# Allegro board Flatburn-main PCB.brd (continued)
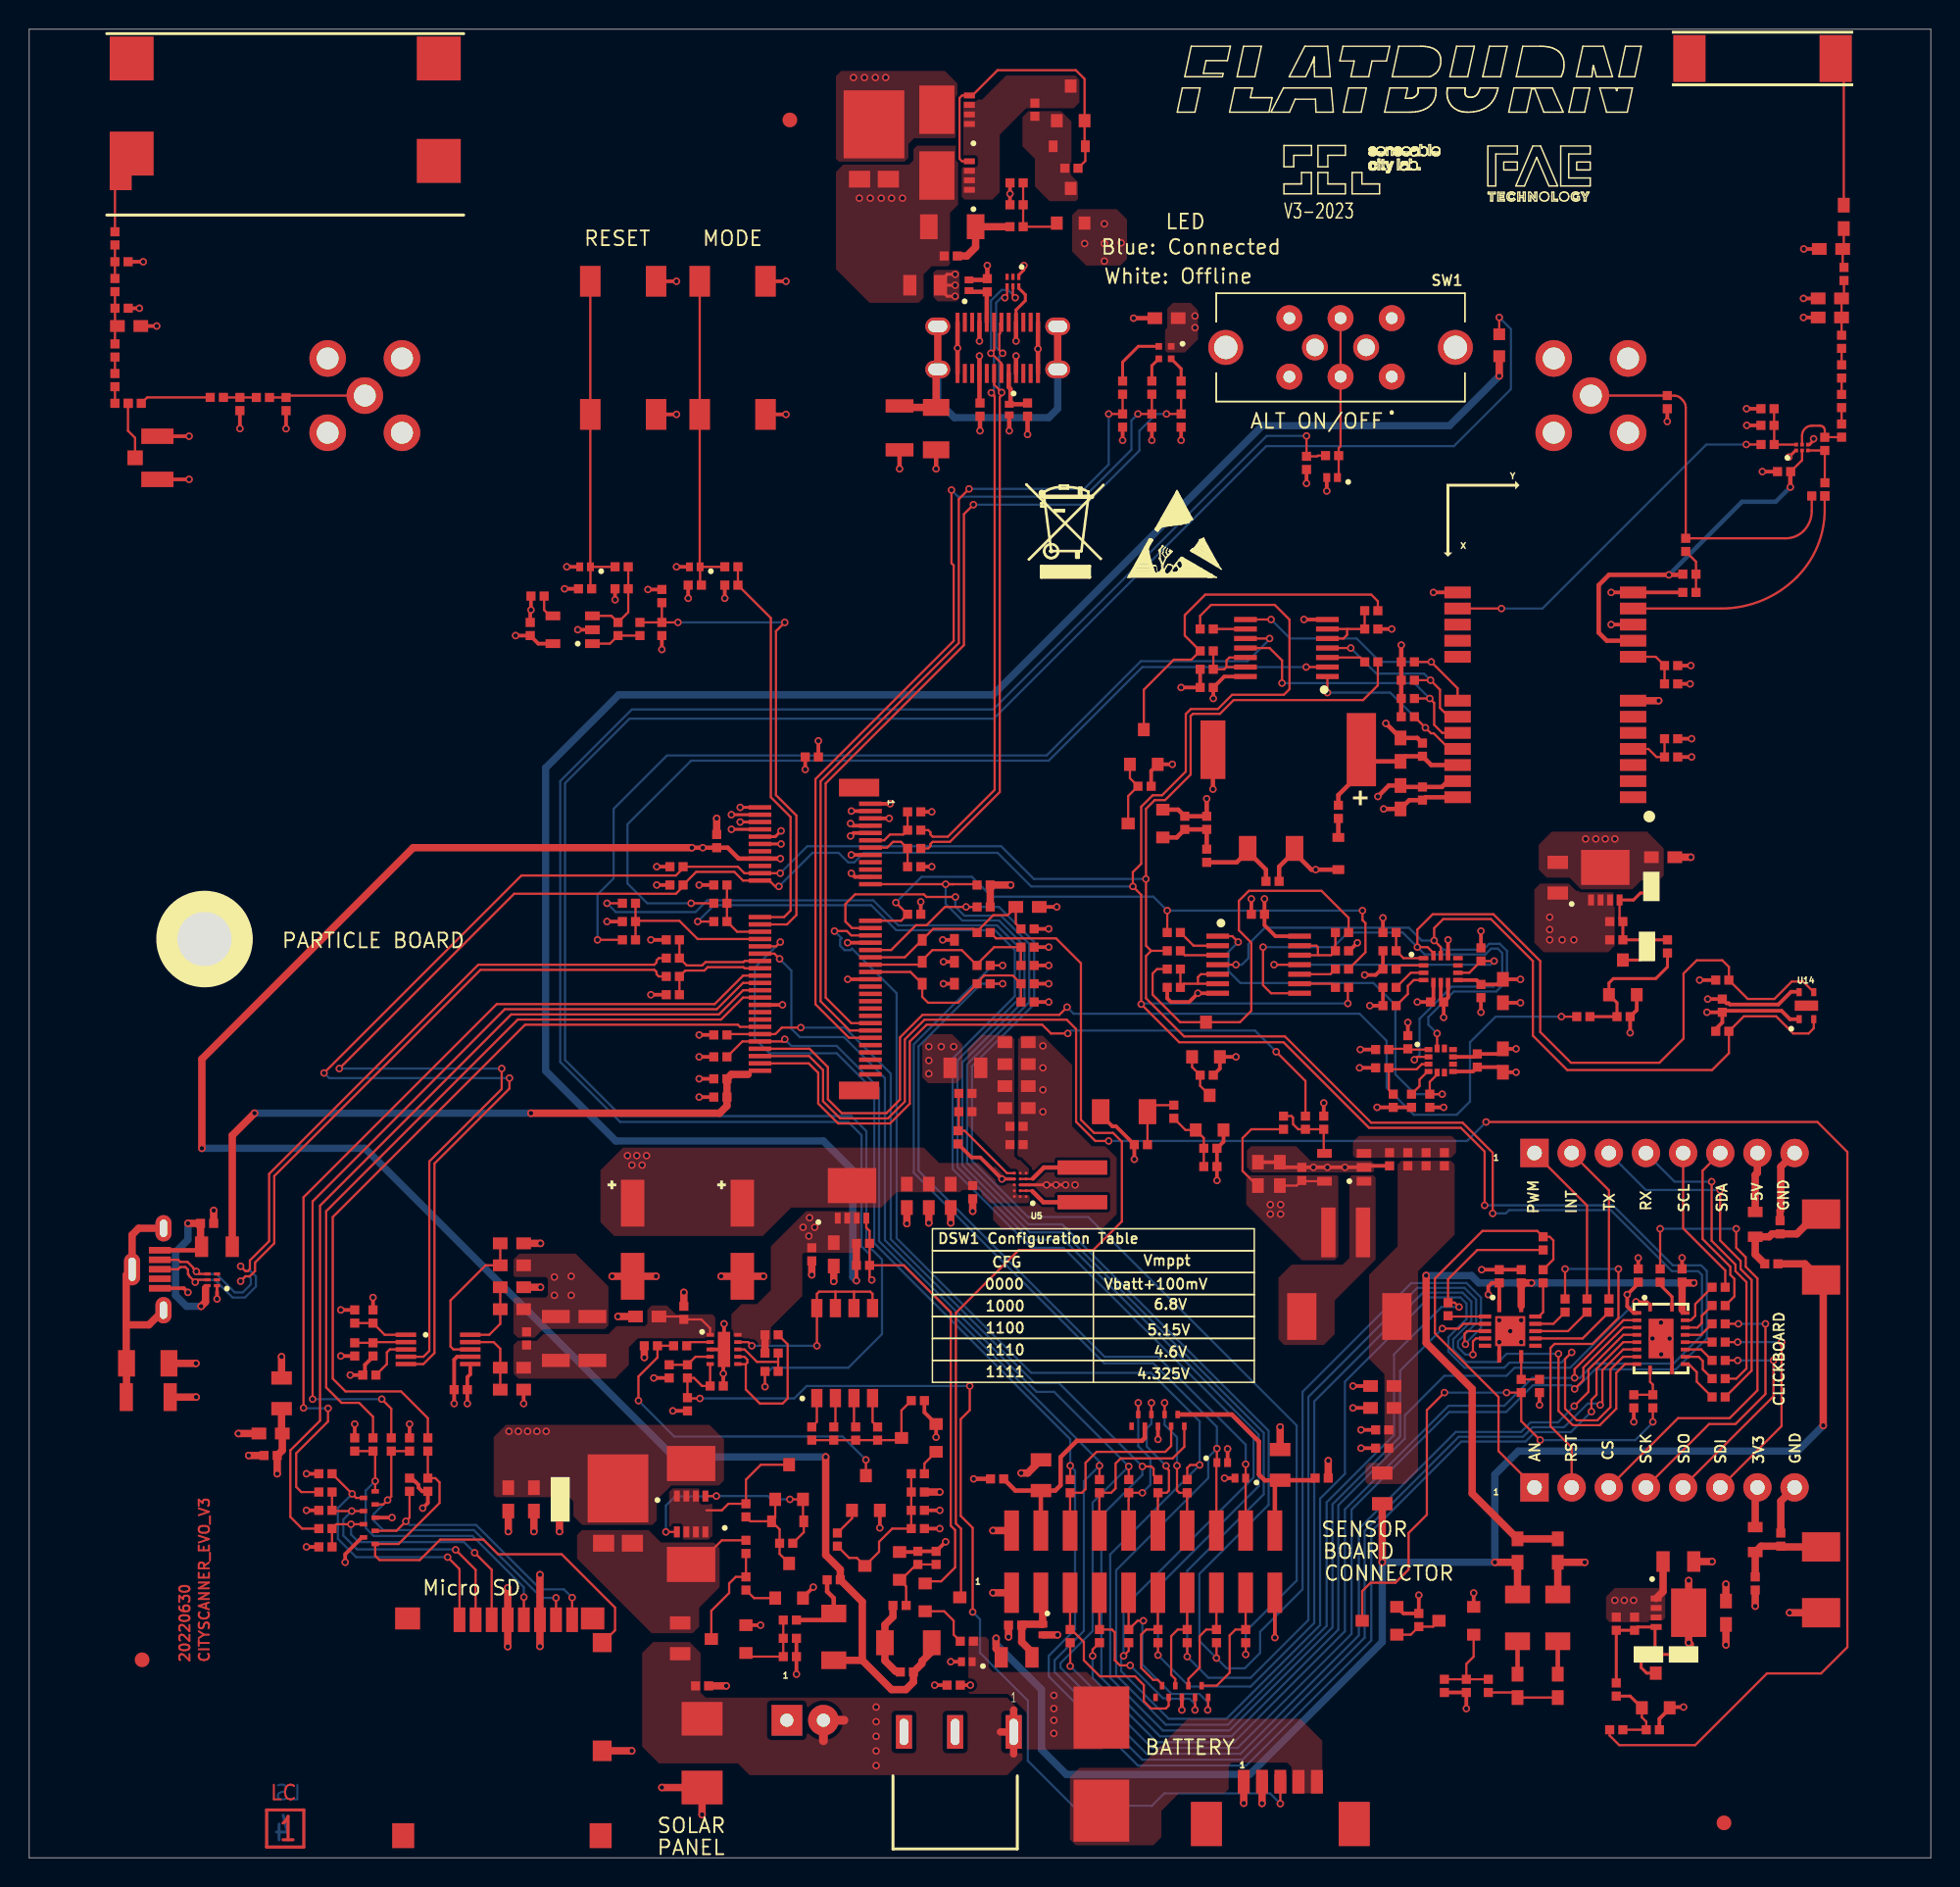
[diagram p0: board, top side]
## Placement (name value [footprint] x y rotation side) (continued)
NOREF#266  -  []  85.97 25.11 90 top
NOREF#267  -  []  59.63 28.7 0 top
NOREF#268  -  []  55.08 43.35 0 top
NOREF#269  -  []  97.6 53.58 90 top
NOREF#270  -  []  19.07 24.53 90 top
NOREF#271  -  []  19.8 26.25 0 top
NOREF#272  -  []  91.3 81.75 0 top
NOREF#273  -  []  51 24.5 0 top
NOREF#274  -  []  62.44 12.11 0 top
NOREF#275  -  []  103.19 40.51 0 top
NOREF#276  -  []  83.5 81.83 0 top
NOREF#277  -  []  43.8 67.75 0 top
NOREF#278  -  []  26 27.8 90 top
NOREF#279  -  []  9.71 96.8 0 top
NOREF#280  -  []  5.86 99.43 0 top
NOREF#281  -  []  16.05 27.5 0 top
NOREF#282  -  []  66.4 98.7 0 top
NOREF#283  -  []  47.86 86.69 90 top
NOREF#284  -  []  48.45 35.25 90 top
NOREF#285  -  []  94.25 55.3 90 top
NOREF#286  -  []  61.06 19.74 90 top
NOREF#287  -  []  43.24 60.56 0 top
NOREF#288  -  []  99.1 36.89 0 top
NOREF#289  -  []  60.05 67.75 0 top
NOREF#290  -  []  67.26 15.59 90 top
NOREF#291  -  []  81.07 58.4 0 top
NOREF#292  -  []  102 31.8 90 top
NOREF#293  -  []  6.17 101.15 90 top
NOREF#294  -  []  46.55 35.75 0 top
NOREF#295  -  []  96.69 37.36 0 top
NOREF#296  -  []  47.39 65.56 0 top
NOREF#297  -  []  60.3 23.75 0 top
NOREF#298  -  []  56.77 114.75 0 top
NOREF#299  -  []  31.7 41.6 90 top
NOREF#300  -  []  90.95 47.65 0 top
NOREF#301  -  []  83.55 64.5 0 top
NOREF#302  -  []  108.92 65.1 90 top
NOREF#303  -  []  48.55 16.3 0 top
NOREF#304  -  []  119.83 94.45 90 top
NOREF#305  -  []  88.43 4.4 90 top
NOREF#306  -  []  45.05 87 0 top
NOREF#307  -  []  65.11 60.69 90 top
NOREF#308  -  []  95.19 48.51 0 top
NOREF#309  -  []  59.5 45.65 90 top
NOREF#310  -  []  64.85 107.2 90 top
NOREF#311  -  []  13.43 41.07 0 top
NOREF#312  -  []  93.14 59.81 0 top
NOREF#313  -  []  102.31 39.89 90 top
NOREF#314  -  []  44.5 13.95 90 top
NOREF#315  -  []  100.06 10.99 90 top
NOREF#316  -  []  85.13 5.7 0 top
NOREF#317  -  []  64.3 15.55 0 top
NOREF#318  -  []  88.99 62.31 0 top
NOREF#319  -  []  101.65 103 90 top
NOREF#320  -  []  76.44 100.36 0 top
NOREF#321  -  []  80.05 81.25 0 top
NOREF#322  -  []  91.61 84.94 90 top
NOREF#323  -  []  44.74 87.31 0 top
NOREF#324  -  []  124.55 112.57 90 top
NOREF#325  -  []  59.05 17.25 0 top
NOREF#326  -  []  63.92 118.35 90 top
NOREF#327  -  []  32.2 33.5 0 top
NOREF#328  -  []  57.36 71.28 90 top
NOREF#329  -  []  66.2 53.85 90 top
NOREF#330  -  []  114.99 56.81 0 top
NOREF#331  -  []  44.64 35.31 0 top
NOREF#332  -  []  92.94 51.61 0 top
NOREF#333  -  []  108.81 11.64 90 top
NOREF#334  -  []  93.49 78.31 0 top
NOREF#335  -  []  111.8 80.25 0 top
NOREF#336  -  []  92.05 54 0 top
NOREF#337  -  []  75.17 24.95 90 top
NOREF#338  -  []  65.81 106.74 90 top
NOREF#339  -  []  93.56 50.99 90 top
NOREF#340  -  []  118.34 40.91 0 top
NOREF#341  -  []  48.69 22.01 0 top
NOREF#342  -  []  123.5 38.2 90 top
NOREF#343  -  []  11.98 40.02 0 top
NOREF#344  -  []  108.36 63.69 90 top
NOREF#345  -  []  102.91 25.32 0 top
NOREF#346  -  []  79.48 15.29 90 top
NOREF#347  -  []  91.3 84 0 top
NOREF#348  -  []  46.8 56.25 0 top
NOREF#349  -  []  19.8 25 0 top
NOREF#350  -  []  25.05 35.9 0 top
NOREF#351  -  []  75.25 74.75 0 top
NOREF#352  -  []  10.7 39.23 90 top
NOREF#353  -  []  67.64 113.31 0 top
NOREF#354  -  []  51 17.75 0 top
NOREF#355  -  []  102.91 48.18 0 top
NOREF#356  -  []  20.51 30.18 0 top
NOREF#357  -  []  65.31 98.24 90 top
NOREF#358  -  []  95.5 47.3 90 top
NOREF#359  -  []  58 44.75 90 top
NOREF#360  -  []  77.22 103.32 0 top
NOREF#361  -  []  89.1 69.85 0 top
NOREF#362  -  []  11.78 41.77 0 top
NOREF#363  -  []  93.8 78 0 top
NOREF#364  -  []  106 68.9 0 top
NOREF#365  -  []  20.4 97.42 0 top
NOREF#366  -  []  7.81 96.8 0 top
NOREF#367  -  []  46.8 52 0 top
NOREF#368  -  []  97.07 55.43 0 top
NOREF#369  -  []  66.7 52.75 0 top
NOREF#370  -  []  113.25 89.3 90 top
NOREF#371  -  []  56.58 43.73 0 top
NOREF#372  -  []  53.81 29.14 90 top
NOREF#373  -  []  43.24 61.81 0 top
NOREF#374  -  []  43.49 28.15 0 top
NOREF#375  -  []  47 25.75 90 top
NOREF#376  -  []  67.05 113 0 top
NOREF#377  -  []  6.17 107.65 90 top
NOREF#378  -  []  43.86 62.44 90 top
NOREF#379  -  []  -62.14 -85.78 0 top
NOREF#380  -  []  67.8 62.25 0 top
NOREF#381  -  []  67.8 54.65 0 top
NOREF#382  -  []  49.31 18.89 90 top
NOREF#383  -  []  59.99 25.31 0 top
NOREF#384  -  []  35.51 85.94 90 top
NOREF#385  -  []  38.17 22.93 90 top
NOREF#386  -  []  19.49 21.56 0 top
NOREF#387  -  []  43.55 60.25 0 top
NOREF#388  -  []  8.5 82 0 top
NOREF#389  -  []  92.05 29.25 0 top
NOREF#390  -  []  45.63 88.55 0 top
NOREF#391  -  []  119.2 21.25 90 top
NOREF#392  -  []  33.81 16.93 90 top
NOREF#393  -  []  104.5 14.8 90 top
NOREF#394  -  []  121.73 96.48 90 top
NOREF#395  -  []  26.31 28.39 90 top
NOREF#396  -  []  74.75 97.8 90 top
NOREF#397  -  []  109.26 62.44 90 top
NOREF#398  -  []  31.7 31.6 90 top
NOREF#399  -  []  49.99 34.81 0 top
NOREF#400  -  []  123.59 98.32 0 top
NOREF#401  -  []  77.94 51.76 0 top
NOREF#402  -  []  67.8 51.65 0 top
NOREF#403  -  []  88.5 49.8 90 top
NOREF#404  -  []  92.8 31.85 90 top
NOREF#405  -  []  124.07 107.82 90 top
NOREF#406  -  []  78.39 59.81 0 top
NOREF#407  -  []  50.35 43.95 90 top
NOREF#408  -  []  69.1 104.32 90 top
NOREF#409  -  []  106 68.9 0 top
NOREF#410  -  []  22.25 34.3 90 top
NOREF#411  -  []  47 21.25 90 top
NOREF#412  -  []  60.3 120.7 0 top
NOREF#413  -  []  111.5 39.35 90 top
NOREF#414  -  []  63.65 107.2 0 top
NOREF#415  -  []  92.05 55.25 0 top
NOREF#416  -  []  80.25 51.72 90 top
NOREF#417  -  []  110.6 61.85 90 top
NOREF#418  -  []  60.05 64.5 0 top
NOREF#419  -  []  61.05 62.75 0 top
NOREF#420  -  []  80.64 82.81 0 top
NOREF#421  -  []  51.5 19.72 90 top
NOREF#422  -  []  37.55 86.75 0 top
NOREF#423  -  []  105 19.8 90 top
NOREF#424  -  []  61.57 117.6 0 top
NOREF#425  -  []  110.06 16.14 90 top
NOREF#426  -  []  43.49 28.15 0 top
NOREF#427  -  []  29.05 32 0 top
NOREF#428  -  []  64.7 13.1 90 top
NOREF#429  -  []  115.05 32.75 0 top
NOREF#430  -  []  40.25 83.55 90 top
NOREF#431  -  []  120.19 48.18 0 top
NOREF#432  -  []  111.02 17.35 0 top
NOREF#433  -  []  38.54 20.93 0 top
NOREF#434  -  []  47.55 87 0 top
NOREF#435  -  []  43.26 34.69 90 top
NOREF#436  -  []  111.19 40.56 0 top
NOREF#437  -  []  85.44 50.11 0 top
NOREF#438  -  []  87 37 0 top
NOREF#439  -  []  60.99 121.4 0 top
NOREF#440  -  []  56.81 29.14 90 top
NOREF#441  -  []  20.51 30.18 0 top
NOREF#442  -  []  112.31 62.44 90 top
NOREF#443  -  []  21.01 24.69 90 top
NOREF#444  -  []  75.48 25.54 90 top
NOREF#445  -  []  83.48 15.29 90 top
NOREF#446  -  []  80.3 47.25 0 top
NOREF#447  -  []  62.86 109.19 90 top
NOREF#448  -  []  71.7 119.15 0 top
NOREF#449  -  []  67.13 99.3 0 top
NOREF#450  -  []  45.55 11.75 0 top
NOREF#451  -  []  93.5 15.25 90 top
NOREF#452  -  []  25.69 26.26 0 top
NOREF#453  -  []  59.05 100.2 0 top
NOREF#454  -  []  88.75 80.75 90 top
NOREF#455  -  []  113 39.35 90 top
NOREF#456  -  []  57.27 38.2 0 top
NOREF#457  -  []  110.16 33.6 0 top
NOREF#458  -  []  53.47 36.95 90 top
NOREF#459  -  []  77.85 103.55 0 top
NOREF#460  -  []  66.9 13 90 top
NOREF#461  -  []  93.8 80.5 0 top
NOREF#462  -  []  21.94 29.01 0 top
NOREF#463  -  []  91.61 83.69 90 top
NOREF#464  -  []  103.19 42.76 0 top
NOREF#465  -  []  66.03 25.59 90 top
NOREF#466  -  []  68.56 99.14 90 top
NOREF#467  -  []  79.43 0.8 90 top
NOREF#468  -  []  108.5 11.05 90 top
NOREF#469  -  []  109.26 8.44 90 top
NOREF#470  -  []  57.14 40.81 0 top
NOREF#471  -  []  23.81 37.14 90 top
NOREF#472  -  []  44.95 15.35 90 top
NOREF#473  -  []  40.05 88.25 0 top
NOREF#474  -  []  62 20.05 90 top
NOREF#475  -  []  100.81 39.89 90 top
NOREF#476  -  []  92.55 59.5 0 top
NOREF#477  -  []  112.65 13.9 0 top
NOREF#478  -  []  46.49 66.81 0 top
NOREF#479  -  []  7.07 108.8 90 top
NOREF#480  -  []  47.14 32.56 0 top
NOREF#481  -  []  100.11 34.7 90 top
NOREF#482  -  []  60.36 69.94 90 top
NOREF#483  -  []  113.92 15.6 90 top
NOREF#484  -  []  55.56 21.89 90 top
NOREF#485  -  []  6.18 32.44 0 top
NOREF#486  -  []  62.75 11.8 0 top
NOREF#487  -  []  53.5 28.55 90 top
NOREF#488  -  []  92.55 63.25 0 top
NOREF#489  -  []  46.49 53.56 0 top
NOREF#490  -  []  108.24 57.81 0 top
NOREF#491  -  []  48.01 63.69 90 top
NOREF#492  -  []  57.75 117.5 90 top
NOREF#493  -  []  50.45 23.4 0 top
NOREF#494  -  []  46.3 33.62 0 top
NOREF#495  -  []  108.92 65.1 90 top
NOREF#496  -  []  57.36 55.83 0 top
NOREF#497  -  []  67.8 59.75 0 top
NOREF#498  -  []  97.06 47.89 90 top
NOREF#499  -  []  49.81 71.03 90 top
NOREF#500  -  []  54.55 19 0 top
NOREF#501  -  []  23.19 34.61 0 top
NOREF#502  -  []  80.05 82.5 0 top
NOREF#503  -  []  112.39 81.81 0 top
NOREF#504  -  [unnamed#2]  10 7 0 top
NOREF#505  -  []  108.3 17.15 90 top
NOREF#506  -  []  14.71 98.62 90 top
NOREF#507  -  []  75.06 99.74 90 top
NOREF#508  -  []  34.31 34.74 90 top
NOREF#509  -  []  85 45.55 90 top
NOREF#510  -  []  80.19 71.51 0 top
NOREF#511  -  []  13.05 39 90 top
NOREF#512  -  []  86.69 47.51 0 top
NOREF#513  -  []  117.69 19.51 0 top
NOREF#514  -  []  46.55 32.25 0 top
NOREF#515  -  []  6.17 110.84 90 top
NOREF#516  -  []  116.26 36.19 90 top
NOREF#517  -  []  80.05 80 0 top
NOREF#518  -  []  63.92 113.85 90 top
NOREF#519  -  []  110 39.35 90 top
NOREF#520  -  []  80.64 84.31 0 top
NOREF#521  -  []  62.5 44.85 0 top
NOREF#522  -  []  40.24 64.31 0 top
NOREF#523  -  []  79.75 49.75 0 top
NOREF#524  -  []  109.7 30.75 90 top
NOREF#525  -  []  38.5 83 90 top
NOREF#526  -  []  110.91 62.44 90 top
NOREF#527  -  []  103.25 31.8 90 top
NOREF#528  -  []  63.55 52.25 0 top
NOREF#529  -  []  81.26 83.69 90 top
NOREF#530  -  []  34.25 83.55 90 top
NOREF#531  -  []  70.25 111.75 0 top
NOREF#532  -  []  64.14 52.56 0 top
NOREF#533  -  []  46.8 66.5 0 top
NOREF#534  -  []  110.86 8.44 90 top
NOREF#535  -  []  84 45.95 90 top
NOREF#536  -  []  61.5 44.45 90 top
NOREF#537  -  []  46.18 14.55 90 top
NOREF#538  -  []  57.13 19.95 0 top
NOREF#539  -  []  64.24 15.11 0 top
NOREF#540  -  []  37.86 86.44 90 top
NOREF#541  -  []  68.26 49.69 90 top
NOREF#542  -  []  96.44 48.51 0 top
NOREF#543  -  []  60.61 23.44 90 top
NOREF#544  -  []  63.65 14.8 0 top
NOREF#545  -  []  106.39 57.81 0 top
NOREF#546  -  []  80.64 53.81 0 top
NOREF#547  -  []  112.41 34.15 90 top
NOREF#548  -  []  118.4 96.61 0 top
NOREF#549  -  []  61.26 71.19 90 top
NOREF#550  -  []  64.76 50.69 90 top
NOREF#551  -  []  35.55 34.95 0 top
NOREF#552  -  []  115.05 37.75 0 top
NOREF#553  -  []  54.5 41.65 90 top
NOREF#554  -  []  94.56 47.89 90 top
NOREF#555  -  []  59.99 31.56 0 top
NOREF#556  -  []  66.2 52.35 90 top
NOREF#557  -  []  109.65 74.7 90 top
NOREF#558  -  []  59.75 106.8 0 top
NOREF#559  -  []  66.2 55.35 90 top
NOREF#560  -  []  61.35 59.35 90 top
NOREF#561  -  []  72.86 15.91 0 top
NOREF#562  -  []  108.86 57.19 90 top
NOREF#563  -  []  89.67 94.05 90 top
NOREF#564  -  []  16.73 99.52 90 top
NOREF#565  -  []  19.51 16.93 90 top
NOREF#566  -  []  64.49 63.56 0 top
NOREF#567  -  []  101.69 32.11 0 top
NOREF#568  -  []  95.56 71.99 90 top
NOREF#569  -  []  22.56 28.39 90 top
NOREF#570  -  []  116.8 42.8 0 top
NOREF#571  -  []  100.25 53.3 90 top
NOREF#572  -  []  19.8 22.5 0 top
NOREF#573  -  []  91.74 29.56 0 top
NOREF#574  -  []  100.15 103.8 0 top
NOREF#575  -  []  51.86 14.69 90 top
NOREF#576  -  []  71.71 101.92 90 top
NOREF#577  -  []  95.31 16.39 90 top
NOREF#578  -  []  66.85 108.08 0 top
NOREF#579  -  []  27.25 27.8 90 top
NOREF#580  -  []  74.68 70.3 90 top
NOREF#581  -  []  61.57 113.1 0 top
NOREF#582  -  []  91.2 32.65 0 top
NOREF#583  -  []  79.23 6.2 0 top
NOREF#584  -  []  26.94 25.36 0 top
NOREF#585  -  []  48.69 23.61 0 top
NOREF#586  -  []  40.55 64 0 top
NOREF#587  -  []  72.69 47.7 0 top
NOREF#588  -  []  34.5 23.7 90 top
NOREF#589  -  []  38.6 87.95 90 top
NOREF#590  -  []  47 69.05 90 top
NOREF#591  -  []  88 71.53 90 top
NOREF#592  -  []  111 18.65 0 top
NOREF#593  -  []  40.55 65.25 0 top
NOREF#594  -  []  93.14 61.06 0 top
NOREF#595  -  []  5.55 108.27 0 top
NOREF#596  -  []  118.5 82 0 top
NOREF#597  -  []  49.96 53.8 90 top
NOREF#598  -  []  79.5 54.75 0 top
NOREF#599  -  []  65 98.55 90 top
NOREF#600  -  []  81.2 50.15 0 top
NOREF#601  -  []  45.31 31.14 90 top
NOREF#602  -  []  16.36 27.19 90 top
NOREF#603  -  []  121.55 93.41 0 top
NOREF#604  -  []  32.2 37.5 0 top
NOREF#605  -  []  71.18 1.31 0 top
NOREF#606  -  []  60.3 25 0 top
NOREF#607  -  []  68.39 58.81 0 top
NOREF#608  -  []  82.2 25.65 0 top
NOREF#609  -  []  124.6 121.4 90 top
NOREF#610  -  []  61.26 67.44 90 top
NOREF#611  -  []  76.75 102 0 top
NOREF#612  -  []  121.2 96.61 0 top
NOREF#613  -  []  65.19 107.36 0 top
NOREF#614  -  []  75.06 97.49 90 top
NOREF#615  -  []  76.75 100.05 90 top
NOREF#616  -  []  34.3 40.1 90 top
NOREF#617  -  []  46.55 33.75 0 top
NOREF#618  -  []  93.26 53.69 90 top
NOREF#619  -  []  63.5 48.8 90 top
NOREF#620  -  []  43.8 66.5 0 top
NOREF#621  -  []  60.44 20.36 0 top
NOREF#622  -  []  93.94 48.51 0 top
NOREF#623  -  []  63.55 51 0 top
NOREF#624  -  []  68.44 119.36 0 top
NOREF#625  -  []  100.75 53.7 90 top
NOREF#626  -  []  104.69 38.51 0 top
NOREF#627  -  []  75.24 49.06 0 top
NOREF#628  -  []  105.31 37.89 90 top
NOREF#629  -  []  8.97 32.9 0 top
NOREF#630  -  []  63.06 11.49 90 top
NOREF#631  -  []  79.43 3.8 0 top
NOREF#632  -  []  64.1 112.35 0 top
NOREF#633  -  []  46.42 24.35 90 top
NOREF#634  -  []  112.39 75.56 0 top
NOREF#635  -  []  47 20.25 90 top
NOREF#636  -  []  43.49 22.65 0 top
NOREF#637  -  []  101.25 11.35 0 top
NOREF#638  -  []  64.23 13.7 0 top
NOREF#639  -  []  44.44 38.01 0 top
NOREF#640  -  []  42.94 87.01 0 top
NOREF#641  -  []  58.31 29.14 90 top
NOREF#642  -  []  43.44 33.11 0 top
NOREF#643  -  []  51.89 21.81 0 top
NOREF#644  -  []  88.57 83.95 0 top
NOREF#645  -  []  108.5 60.97 90 top
NOREF#646  -  []  113.35 20.95 0 top
NOREF#647  -  []  62 96.25 90 top
NOREF#648  -  []  19.01 31.88 0 top
NOREF#649  -  []  108.5 15.55 90 top
NOREF#650  -  []  92.64 54.31 0 top
NOREF#651  -  []  43.55 59 0 top
NOREF#652  -  []  113.92 14.85 90 top
NOREF#653  -  []  6.03 104.71 0 top
NOREF#654  -  []  45.06 37.39 90 top
NOREF#655  -  []  53.25 22.6 90 top
NOREF#656  -  []  71.71 101.92 90 top
NOREF#657  -  []  29.41 16.27 0 top
NOREF#658  -  []  41.44 84.76 0 top
NOREF#659  -  []  60.76 12.39 90 top
NOREF#660  -  []  91.63 3.8 90 top
NOREF#661  -  []  52.14 16.56 0 top
NOREF#662  -  []  110.01 31.34 90 top
NOREF#663  -  []  43.49 18.85 90 top
NOREF#664  -  []  91.7 30.75 0 top
NOREF#665  -  []  78.05 104.85 90 top
NOREF#666  -  []  60.61 24.69 90 top
NOREF#667  -  []  33.94 84.76 0 top
NOREF#668  -  []  100.5 39.3 90 top
NOREF#669  -  []  50.3 34.5 0 top
NOREF#670  -  []  76.95 105.25 0 top
NOREF#671  -  []  60.3 22.5 0 top
NOREF#672  -  []  60.05 71.5 0 top
NOREF#673  -  []  64.47 120.1 90 top
NOREF#674  -  []  64.81 44.74 90 top
NOREF#675  -  []  45.58 24.73 0 top
NOREF#676  -  []  98.75 15.25 90 top
NOREF#677  -  []  121.5 18.05 0 top
NOREF#678  -  []  81.26 80.94 90 top
NOREF#679  -  []  106.19 38.51 0 top
NOREF#680  -  []  19.49 24.06 0 top
NOREF#681  -  []  20.39 25.31 0 top
NOREF#682  -  []  40.55 62.75 0 top
NOREF#683  -  []  65.5 13.85 90 top
NOREF#684  -  []  122.45 94.31 0 top
NOREF#685  -  []  32.2 32 0 top
NOREF#686  -  []  16.11 100.14 0 top
NOREF#687  -  []  123.55 110.97 0 top
NOREF#688  -  []  8.23 96.08 0 top
NOREF#689  -  []  109.44 16.76 0 top
NOREF#690  -  []  67.8 53.15 0 top
NOREF#691  -  []  94.5 51.3 90 top
NOREF#692  -  []  59.18 28.3 90 top
NOREF#693  -  []  122.76 96.21 90 top
NOREF#694  -  []  88 35.4 90 top
NOREF#695  -  []  110.81 33.35 0 top
NOREF#696  -  []  60.05 69 0 top
NOREF#697  -  []  60.3 116.2 0 top
NOREF#698  -  []  111.69 15.55 90 top
NOREF#699  -  []  23.5 27.8 90 top
NOREF#700  -  []  93.76 61.69 90 top
NOREF#701  -  []  78.75 100.05 90 top
NOREF#702  -  []  113.01 79.94 90 top
NOREF#703  -  []  44.69 34.01 0 top
NOREF#704  -  []  95.8 58.5 0 top
NOREF#705  -  []  130 0 90 top
NOREF#706  -  []  60.3 113.8 90 top
NOREF#707  -  []  37.24 87.06 0 top
NOREF#708  -  []  100.5 34.28 0 top
NOREF#709  -  []  44.75 36.8 90 top
NOREF#710  -  []  78.3 103.1 90 top
NOREF#711  -  []  62.95 60.15 0 top
NOREF#712  -  []  5.55 103.8 0 top
NOREF#713  -  []  99.35 103 0 top
NOREF#714  -  []  91.7 32.25 0 top
NOREF#715  -  []  49.96 62.8 0 top
NOREF#716  -  []  111.69 17.95 0 top
NOREF#717  -  []  122.17 92.79 90 top
NOREF#718  -  []  64.28 115.33 90 top
NOREF#719  -  []  44.27 22.27 0 top
NOREF#720  -  []  91.3 85.25 0 top
NOREF#721  -  []  56.75 0.2 90 top
NOREF#722  -  []  46 4.8 90 top
NOREF#723  -  []  70.25 118.75 0 top
NOREF#724  -  []  68.39 62.56 0 top
NOREF#725  -  []  111.8 81.5 0 top
NOREF#726  -  []  43.56 86.39 90 top
NOREF#727  -  []  44.85 10.9 0 top
NOREF#728  -  []  92.55 60.75 0 top
NOREF#729  -  []  99.75 11.3 90 top
NOREF#730  -  []  57.42 43.35 90 top
NOREF#731  -  []  43.86 58.69 90 top
NOREF#732  -  []  116.26 34.94 90 top
NOREF#733  -  []  44.9 87.95 0 top
NOREF#734  -  []  80.5 70.3 90 top
NOREF#735  -  []  34.56 84.14 90 top
NOREF#736  -  []  112 61.85 90 top
NOREF#737  -  []  60.3 31.25 0 top
NOREF#738  -  []  42.05 35 0 top
NOREF#739  -  []  32.2 39 0 top
NOREF#740  -  []  49.99 36.06 0 top
NOREF#741  -  []  116.06 58.39 90 top
NOREF#742  -  []  54.26 74.94 90 top
NOREF#743  -  []  112.74 86.81 0 top
NOREF#744  -  []  20.51 31.88 0 top
NOREF#745  -  []  115.5 17.15 90 top
NOREF#746  -  []  5.86 107.06 90 top
NOREF#747  -  []  116 15.95 90 top
NOREF#748  -  []  123.4 106.2 0 top
NOREF#749  -  []  44.05 35 0 top
NOREF#750  -  []  71.17 14.7 90 top
NOREF#751  -  []  9.18 37.83 90 top
NOREF#752  -  []  83.86 64.19 90 top
NOREF#753  -  []  80.95 55.15 0 top
NOREF#754  -  []  61.35 62.35 90 top
NOREF#755  -  []  45.36 86.69 90 top
NOREF#756  -  []  57.14 42.31 0 top
NOREF#757  -  []  17.25 30.7 90 top
NOREF#758  -  []  27.25 25.05 90 top
NOREF#759  -  []  88.99 63.56 0 top
NOREF#760  -  []  67.49 60.06 0 top
NOREF#761  -  []  8.38 38.08 0 top
NOREF#762  -  []  68.83 100.82 90 top
NOREF#763  -  []  34.01 30.18 90 top
NOREF#764  -  []  49.96 62.8 0 top
NOREF#765  -  []  95.32 61.5 0 top
NOREF#766  -  []  124.38 108.41 90 top
NOREF#767  -  []  61.69 21.26 0 top
NOREF#768  -  []  114.25 19.55 90 top
NOREF#769  -  []  10.13 62.8 0 top
NOREF#770  -  []  35.8 83 90 top
NOREF#771  -  []  70.25 118.75 0 top
NOREF#772  -  []  40.25 24.25 90 top
NOREF#773  -  []  68.11 59.44 90 top
NOREF#774  -  []  55.76 18.69 90 top
NOREF#775  -  []  62.55 109.5 0 top
NOREF#776  -  []  96.39 58.81 0 top
NOREF#777  -  []  23.19 37.76 0 top
NOREF#778  -  []  123.4 104.9 0 top
NOREF#779  -  []  16.8 30 0 top
NOREF#780  -  []  55.67 120.83 0 top
NOREF#781  -  []  99.25 61.3 90 top
NOREF#782  -  []  96.75 72.1 0 top
NOREF#783  -  []  122.88 109.58 90 top
NOREF#784  -  []  119.61 96.3 90 top
NOREF#785  -  []  98.94 62.51 0 top
NOREF#786  -  []  89.3 60.75 0 top
NOREF#787  -  []  59.99 26.56 0 top
NOREF#788  -  []  66 13 0 top
NOREF#789  -  []  81.26 82.19 90 top
NOREF#790  -  []  67.6 98.7 90 top
NOREF#791  -  []  118.99 96.92 0 top
NOREF#792  -  []  93.26 54.94 90 top
NOREF#793  -  []  9.18 30.54 90 top
NOREF#794  -  []  49 20.8 90 top
NOREF#795  -  []  96.44 11.61 0 top
NOREF#796  -  []  92.64 55.56 0 top
NOREF#797  -  []  60.64 68.06 0 top
NOREF#798  -  []  20.4 97.42 0 top
NOREF#799  -  []  60.75 20.05 90 top
NOREF#800  -  []  110.59 66.26 0 top
NOREF#801  -  []  83.17 14.7 90 top
NOREF#802  -  []  42.86 98.67 90 top
NOREF#803  -  []  115.05 31.5 0 top
NOREF#804  -  []  60.89 22.81 0 top
NOREF#805  -  []  7.07 99.12 90 top
NOREF#806  -  []  93.94 56.51 0 top
NOREF#807  -  []  123.07 96.8 90 top
NOREF#808  -  []  32.2 42 0 top
NOREF#809  -  []  40.05 86.75 0 top
NOREF#810  -  []  87.56 50.39 90 top
NOREF#811  -  []  94.11 77.69 90 top
NOREF#812  -  []  118.65 40.6 0 top
NOREF#813  -  []  106 66.5 90 top
NOREF#814  -  []  79.31 69.99 90 top
NOREF#815  -  []  88.81 42.75 0 top
NOREF#816  -  []  79.43 3.8 0 top
NOREF#817  -  []  95.66 53.75 90 top
NOREF#818  -  []  81.26 53.19 90 top
NOREF#819  -  []  88.93 95.54 90 top
NOREF#820  -  []  56.04 114.17 90 top
NOREF#821  -  []  63 44.45 90 top
NOREF#822  -  []  93.1 25.95 0 top
NOREF#823  -  []  5.55 111.46 0 top
NOREF#824  -  []  46.42 24.35 90 top
NOREF#825  -  []  68.25 98.55 90 top
NOREF#826  -  []  60.65 106.8 90 top
NOREF#827  -  []  67.05 48.75 0 top
NOREF#828  -  []  65.3 110.65 90 top
NOREF#829  -  []  120.19 25.32 0 top
NOREF#830  -  []  5.53 104.31 0 top
NOREF#831  -  []  109.91 36.75 90 top
NOREF#832  -  []  78.11 62.94 90 top
NOREF#833  -  []  104 20.6 0 top
NOREF#834  -  []  116.26 33.69 90 top
NOREF#835  -  []  78.75 97.8 90 top
NOREF#836  -  []  41.75 83.55 90 top
NOREF#837  -  []  79.5 54.75 0 top
NOREF#838  -  []  98.3 17.55 0 top
NOREF#839  -  []  58.03 36.95 90 top
NOREF#840  -  []  110.84 14.21 0 top
NOREF#841  -  []  44.11 66.19 90 top
NOREF#842  -  []  75.13 70.7 0 top
NOREF#843  -  []  56.58 43.73 0 top
NOREF#844  -  []  116.26 38.69 90 top
NOREF#845  -  []  19.01 30.18 90 top
NOREF#846  -  []  103.5 41.55 90 top
NOREF#847  -  []  118.08 99.37 0 top
NOREF#848  -  []  77.8 62 0 top
NOREF#849  -  []  37.4 87.95 0 top
NOREF#850  -  []  34 35.05 90 top
NOREF#851  -  []  93.8 81.75 0 top
NOREF#852  -  []  44.08 24.35 0 top
NOREF#853  -  []  51.8 8.96 90 top
NOREF#854  -  []  70.55 101.35 90 top
NOREF#855  -  []  79.43 0.8 0 top
NOREF#856  -  []  5.55 99.74 0 top
NOREF#857  -  []  59.55 12.7 0 top
NOREF#858  -  []  93.8 79.25 0 top
NOREF#859  -  []  43.55 61.5 0 top
NOREF#860  -  []  33.3 37.9 0 top
NOREF#861  -  []  105 37.3 90 top
NOREF#862  -  []  87.32 94.9 90 top
NOREF#863  -  []  58.73 114.75 90 top
NOREF#864  -  []  48.76 87.94 90 top
NOREF#865  -  []  47.15 40.35 0 top
NOREF#866  -  []  61.05 61.25 0 top
NOREF#867  -  []  42.55 36.6 90 top
NOREF#868  -  []  109.61 37.37 0 top
NOREF#869  -  [unnamed#2]  120 7 0 top
NOREF#870  -  []  64.47 115.6 90 top
NOREF#871  -  []  76.44 98.11 0 top
NOREF#872  -  []  81.51 48.19 90 top
NOREF#873  -  []  60.99 116.9 0 top
NOREF#874  -  []  85.52 25.81 90 top
NOREF#875  -  []  45 32.8 90 top
NOREF#876  -  []  38.17 27.57 0 top
NOREF#877  -  []  66.45 13.7 0 top
NOREF#878  -  []  68.72 24.4 0 top
NOREF#879  -  []  83.5 45.55 90 top
NOREF#880  -  []  110.69 31.06 0 top
NOREF#881  -  []  113.36 86.19 90 top
NOREF#882  -  []  111.7 10.65 0 top
NOREF#883  -  []  123.48 109.58 0 top
NOREF#884  -  []  85 47.95 0 top
NOREF#885  -  []  115.5 16.35 0 top
NOREF#886  -  []  52.76 15.94 90 top
NOREF#887  -  []  74.86 26.16 0 top
NOREF#888  -  []  103.81 39.89 90 top
NOREF#889  -  []  48.01 51.69 90 top
NOREF#890  -  []  98.56 11.89 90 top
NOREF#891  -  []  124.7 121.3 90 top
NOREF#892  -  []  118 18.3 90 top
NOREF#893  -  []  74.44 98.11 0 top
NOREF#894  -  []  94.81 50.99 90 top
NOREF#895  -  []  60.71 101.92 0 top
NOREF#896  -  []  37.66 106.72 90 top
NOREF#897  -  []  64.47 115.6 90 top
NOREF#898  -  []  63.19 50.01 0 top
NOREF#899  -  []  60.64 64.81 0 top
NOREF#900  -  []  57.42 44.1 90 top
NOREF#901  -  []  105 10.55 90 top
NOREF#902  -  []  53.84 31.43 0 top
NOREF#903  -  []  43.56 83.24 90 top
NOREF#904  -  []  92.5 24.2 90 top
NOREF#905  -  []  113.56 89.89 90 top
NOREF#906  -  []  104.23 97.42 0 top
NOREF#907  -  []  49 14 90 top
NOREF#908  -  []  60.8 17.25 0 top
NOREF#909  -  []  85.75 49.8 90 top
NOREF#910  -  []  43.24 59.31 0 top
NOREF#911  -  []  71.18 11.49 0 top
NOREF#912  -  []  56.73 52.45 90 top
NOREF#913  -  []  59.5 96.25 90 top
NOREF#914  -  []  110.9 68.4 0 top
NOREF#915  -  []  94.94 76.51 0 top
NOREF#916  -  []  97.94 12.51 0 top
NOREF#917  -  []  78.55 102 90 top
NOREF#918  -  []  88.47 94.05 0 top
NOREF#919  -  []  82.16 26.71 90 top
NOREF#920  -  []  122.8 106.2 90 top
NOREF#921  -  []  89.3 59.5 0 top
NOREF#922  -  []  51.86 13.44 90 top
NOREF#923  -  []  45.14 106.72 90 top
NOREF#924  -  []  108 59 0 top
NOREF#925  -  []  51.8 9.4 0 top
NOREF#926  -  []  67.64 50.31 0 top
NOREF#927  -  []  21.01 22.19 90 top
NOREF#928  -  []  73.48 15.29 90 top
NOREF#929  -  []  66.64 16.21 0 top
NOREF#930  -  []  60.36 68.69 90 top
NOREF#931  -  []  74.44 100.36 0 top
NOREF#932  -  []  51.55 13.75 0 top
NOREF#933  -  []  115.61 59.69 90 top
NOREF#934  -  []  110.24 9.06 0 top
NOREF#935  -  [unnamed#2]  10 82 0 top
NOREF#936  -  []  67.49 61.31 0 top
NOREF#937  -  []  51.55 15 0 top
NOREF#938  -  []  64.5 119 90 top
NOREF#939  -  []  122.45 97.42 0 top
NOREF#940  -  []  43.24 63.06 0 top
NOREF#941  -  []  122.76 93.1 90 top
NOREF#942  -  []  17.87 98.62 90 top
NOREF#943  -  []  123.91 101.16 90 top
NOREF#944  -  []  104.23 96.67 90 top
NOREF#945  -  []  123.5 15.45 90 top
NOREF#946  -  []  63.81 49.39 90 top
NOREF#947  -  []  124.05 111.37 90 top
NOREF#948  -  []  91.61 81.44 90 top
NOREF#949  -  []  19.8 23.75 0 top
NOREF#950  -  []  53.84 31.43 0 top
NOREF#951  -  []  46.42 25.1 90 top
NOREF#952  -  []  78.44 98.11 0 top
NOREF#953  -  []  119.21 95.07 0 top
NOREF#954  -  []  91.2 31.15 0 top
NOREF#955  -  []  53.64 75.56 0 top
NOREF#956  -  []  38.2 84.4 0 top
NOREF#957  -  []  113.31 39.94 90 top
NOREF#958  -  []  44.47 21.9 90 top
NOREF#959  -  []  65.39 60.06 0 top
NOREF#960  -  []  80.19 68.36 0 top
NOREF#961  -  []  99 54.05 90 top
NOREF#962  -  []  33.3 42.4 0 top
NOREF#963  -  []  77.8 63.25 0 top
NOREF#964  -  []  24.75 27.8 90 top
NOREF#965  -  []  95 59.85 0 top
NOREF#966  -  []  113.01 81.19 90 top
NOREF#967  -  []  122.8 104.9 90 top
NOREF#968  -  []  51 17.75 0 top
NOREF#969  -  []  62.24 109.81 0 top
NOREF#970  -  []  90.69 44.45 0 top
NOREF#971  -  []  44.08 24.35 0 top
NOREF#972  -  []  110.31 39.94 90 top
NOREF#973  -  []  77.17 14.7 90 top
NOREF#974  -  []  63.92 117.6 90 top
NOREF#975  -  []  64.86 14.49 90 top
NOREF#976  -  []  80.81 70.89 90 top
NOREF#977  -  []  52.45 24.9 0 top
NOREF#978  -  []  109.5 66.5 90 top
NOREF#979  -  []  71.48 15.29 90 top
NOREF#980  -  []  118.7 98.75 90 top
NOREF#981  -  []  109.45 59.4 0 top
NOREF#982  -  []  85.14 67.06 0 top
NOREF#983  -  []  77.17 24.95 90 top
NOREF#984  -  []  19.8 21.25 0 top
NOREF#985  -  []  72.86 26.16 0 top
NOREF#986  -  []  93.25 74.55 90 top
NOREF#987  -  []  36.3 23.7 90 top
NOREF#988  -  []  5.86 105.93 0 top
NOREF#989  -  []  94.25 47.3 90 top
NOREF#990  -  []  10.76 94.6 90 top
NOREF#991  -  []  47.92 33.55 90 top
NOREF#992  -  []  93.25 51.3 90 top
NOREF#993  -  []  12.3 43.68 0 top
NOREF#994  -  []  76.75 97.8 90 top
NOREF#995  -  []  91.25 46.25 90 top
NOREF#996  -  []  57.51 53.55 90 top
NOREF#997  -  []  115.05 34 0 top
NOREF#998  -  []  103.81 42.14 90 top
NOREF#999  -  []  101.75 10.95 90 top
NOREF#1000  -  []  112.4 121.4 0 top
NOREF#1001  -  []  71.39 115.81 0 top
NOREF#1002  -  []  65.5 53.3 90 top
NOREF#1003  -  []  38.54 20.93 90 top
NOREF#1004  -  []  57.33 51.08 90 top
NOREF#1005  -  []  91.13 16.2 0 top
NOREF#1006  -  []  60.41 104.52 0 top
NOREF#1007  -  []  119.75 21.3 90 top
NOREF#1008  -  []  92.55 58.25 0 top
NOREF#1009  -  []  23.81 27.49 90 top
NOREF#1010  -  []  92.36 28.94 90 top
NOREF#1011  -  []  49.81 69.03 0 top
NOREF#1012  -  []  89.3 63.25 0 top
NOREF#1013  -  []  79.17 24.95 90 top
NOREF#1014  -  []  106.57 65.1 0 top
NOREF#1015  -  []  120.06 20.99 90 top
NOREF#1016  -  []  67.49 63.81 0 top
NOREF#1017  -  []  70.86 15.91 0 top
NOREF#1018  -  []  82.4 75.75 0 top
NOREF#1019  -  []  38.13 88.55 0 top
NOREF#1020  -  []  54.94 22.51 0 top
NOREF#1021  -  []  111 30.75 90 top
NOREF#1022  -  []  108.55 57.5 0 top
NOREF#1023  -  []  88.99 59.81 0 top
NOREF#1024  -  []  102.39 34.7 90 top
NOREF#1025  -  []  106.57 65.1 0 top
NOREF#1026  -  []  22.49 33.31 0 top
NOREF#1027  -  []  77.48 15.29 90 top
NOREF#1028  -  []  9.18 37.43 90 top
NOREF#1029  -  []  73.67 44.3 90 top
NOREF#1030  -  []  25.75 34.75 90 top
NOREF#1031  -  []  109.91 33.75 0 top
NOREF#1032  -  []  64.49 61.31 0 top
NOREF#1033  -  []  48.01 64.94 90 top
NOREF#1034  -  []  108.07 65.48 0 top
NOREF#1035  -  []  32.75 23.7 90 top
NOREF#1036  -  []  64.28 115.33 90 top
NOREF#1037  -  []  33.3 39.4 0 top
NOREF#1038  -  []  14.09 99.24 0 top
NOREF#1039  -  []  119.52 94.76 0 top
NOREF#1040  -  []  27.56 24.74 90 top
NOREF#1041  -  []  104.23 97.42 0 top
NOREF#1042  -  []  61.55 30.05 0 top
NOREF#1043  -  []  64.8 59.75 0 top
NOREF#1044  -  []  97.06 10.99 90 top
NOREF#1045  -  []  87.01 95.21 0 top
NOREF#1046  -  []  88.5 26.26 0 top
NOREF#1047  -  []  95.56 75.89 90 top
NOREF#1048  -  []  109.61 35.12 90 top
NOREF#1049  -  []  108 37.3 90 top
NOREF#1050  -  []  94.56 55.89 90 top
NOREF#1051  -  []  66.7 55.75 0 top
NOREF#1052  -  []  110.16 33.6 90 top
NOREF#1053  -  []  55.67 116.17 90 top
NOREF#1054  -  []  97.01 58.19 90 top
NOREF#1055  -  []  89.2 94.65 0 top
NOREF#1056  -  []  59.99 24.06 0 top
NOREF#1057  -  []  22.8 33 0 top
NOREF#1058  -  []  88.43 4.4 90 top
NOREF#1059  -  []  92.69 48.51 0 top
NOREF#1060  -  []  94.94 72.61 0 top
NOREF#1061  -  []  58.5 14.7 0 top
NOREF#1062  -  []  32.11 16.93 0 top
NOREF#1063  -  []  35.55 36.05 90 top
NOREF#1064  -  []  57.76 41.69 90 top
NOREF#1065  -  []  102.25 10.55 90 top
NOREF#1066  -  []  108.05 64 0 top
NOREF#1067  -  []  5.86 110.25 90 top
NOREF#1068  -  []  75.85 51.85 0 top
NOREF#1069  -  []  121.5 40.8 0 top
NOREF#1070  -  []  57.66 31.43 90 top
NOREF#1071  -  []  78.25 50.55 90 top
NOREF#1072  -  []  63.46 101.47 0 top
NOREF#1073  -  []  112.34 14.21 0 top
NOREF#1074  -  []  95 59.85 90 top
NOREF#1075  -  []  38.5 34 90 top
NOREF#1076  -  []  106.5 37.3 90 top
NOREF#1077  -  []  66.83 105.62 0 top
NOREF#1078  -  []  121.48 96.73 0 top
NOREF#1079  -  []  115.64 35.56 0 top
NOREF#1080  -  []  121.6 96.21 90 top
NOREF#1081  -  []  108.64 63.06 0 top
NOREF#1082  -  []  49 23.3 90 top
NOREF#1083  -  []  108.19 12.26 0 top
NOREF#1084  -  []  111.42 15.4 90 top
NOREF#1085  -  []  46.42 19.6 90 top
NOREF#1086  -  []  107.69 38.51 0 top
NOREF#1087  -  []  5.55 101.77 0 top
NOREF#1088  -  []  94.69 17.01 0 top
NOREF#1089  -  []  110.4 68 90 top
NOREF#1090  -  []  115.64 31.81 0 top
NOREF#1091  -  []  64.47 120.1 90 top
NOREF#1092  -  []  24.44 28.11 0 top
NOREF#1093  -  []  73.17 14.7 90 top
NOREF#1094  -  []  101.25 20.6 0 top
NOREF#1095  -  []  22.56 34.89 90 top
NOREF#1096  -  []  6.17 105.62 90 top
NOREF#1097  -  []  60 44.45 90 top
NOREF#1098  -  []  73.48 25.54 90 top
NOREF#1099  -  []  112.11 76.19 90 top
NOREF#1100  -  []  91.83 0 90 top
NOREF#1101  -  []  6.45 99.74 0 top
NOREF#1102  -  []  112 68.8 0 top
NOREF#1103  -  []  60.3 118.3 90 top
NOREF#1104  -  []  67.45 65 0 top
NOREF#1105  -  []  46.8 65.25 0 top
NOREF#1106  -  []  47.08 35.95 0 top
NOREF#1107  -  []  101.69 40.51 0 top
NOREF#1108  -  []  122.5 39.5 90 top
NOREF#1109  -  []  110.25 10.25 0 top
NOREF#1110  -  []  32.51 31.88 0 top
NOREF#1111  -  []  79.48 25.54 90 top
NOREF#1112  -  []  99.1 36.86 0 top
NOREF#1113  -  []  121.86 93.1 0 top
NOREF#1114  -  []  14.4 98.93 90 top
NOREF#1115  -  []  92.8 30.35 90 top
NOREF#1116  -  []  8.98 62.8 0 top
NOREF#1117  -  []  56.5 28.55 90 top
NOREF#1118  -  []  48.75 39.75 90 top
NOREF#1119  -  []  104.5 20.2 90 top
NOREF#1120  -  []  78.39 61.06 0 top
NOREF#1121  -  []  41.23 21.5 90 top
NOREF#1122  -  []  33.69 35.36 0 top
NOREF#1123  -  []  57.6 14.35 0 top
NOREF#1124  -  []  61.51 22.19 90 top
NOREF#1125  -  []  94.11 81.44 90 top
NOREF#1126  -  []  94.11 80.19 90 top
NOREF#1127  -  []  115.64 36.81 0 top
NOREF#1128  -  []  76.39 73.56 0 top
NOREF#1129  -  []  57.51 57.05 90 top
NOREF#1130  -  []  75.55 48.75 0 top
NOREF#1131  -  []  110.25 13.9 0 top
NOREF#1132  -  []  63.5 13.1 0 top
NOREF#1133  -  []  59.74 70.56 0 top
NOREF#1134  -  []  9.18 37.43 90 top
NOREF#1135  -  []  32.25 24.1 0 top
NOREF#1136  -  []  51 24.5 0 top
NOREF#1137  -  []  25.05 33.6 90 top
NOREF#1138  -  []  91.74 28.31 0 top
NOREF#1139  -  []  76.45 105.65 0 top
NOREF#1140  -  []  77.49 63.56 0 top
NOREF#1141  -  []  95 15.8 90 top
NOREF#1142  -  []  25.48 97.42 90 top
NOREF#1143  -  []  122.38 109.98 0 top
NOREF#1144  -  []  115.3 60 0 top
NOREF#1145  -  []  75.8 73.25 0 top
NOREF#1146  -  []  29.81 15.43 90 top
NOREF#1147  -  []  65.39 65.31 0 top
NOREF#1148  -  []  44.08 18.85 0 top
NOREF#1149  -  []  49.96 66.8 90 top
NOREF#1150  -  []  88.62 95.85 0 top
NOREF#1151  -  []  71.48 25.54 90 top
NOREF#1152  -  []  95.66 54.25 90 top
NOREF#1153  -  []  112.94 90.51 0 top
NOREF#1154  -  []  48.14 88.56 0 top
NOREF#1155  -  []  123.76 109.03 0 top
NOREF#1156  -  []  93.25 76.95 0 top
NOREF#1157  -  []  77.06 97.49 90 top
NOREF#1158  -  []  68.7 15.3 0 top
NOREF#1159  -  []  108 59 0 top
NOREF#1160  -  []  93.31 47.89 90 top
